# Altium PCB CGRA_Board_3.PcbDoc (part 4 of 7) (continued)
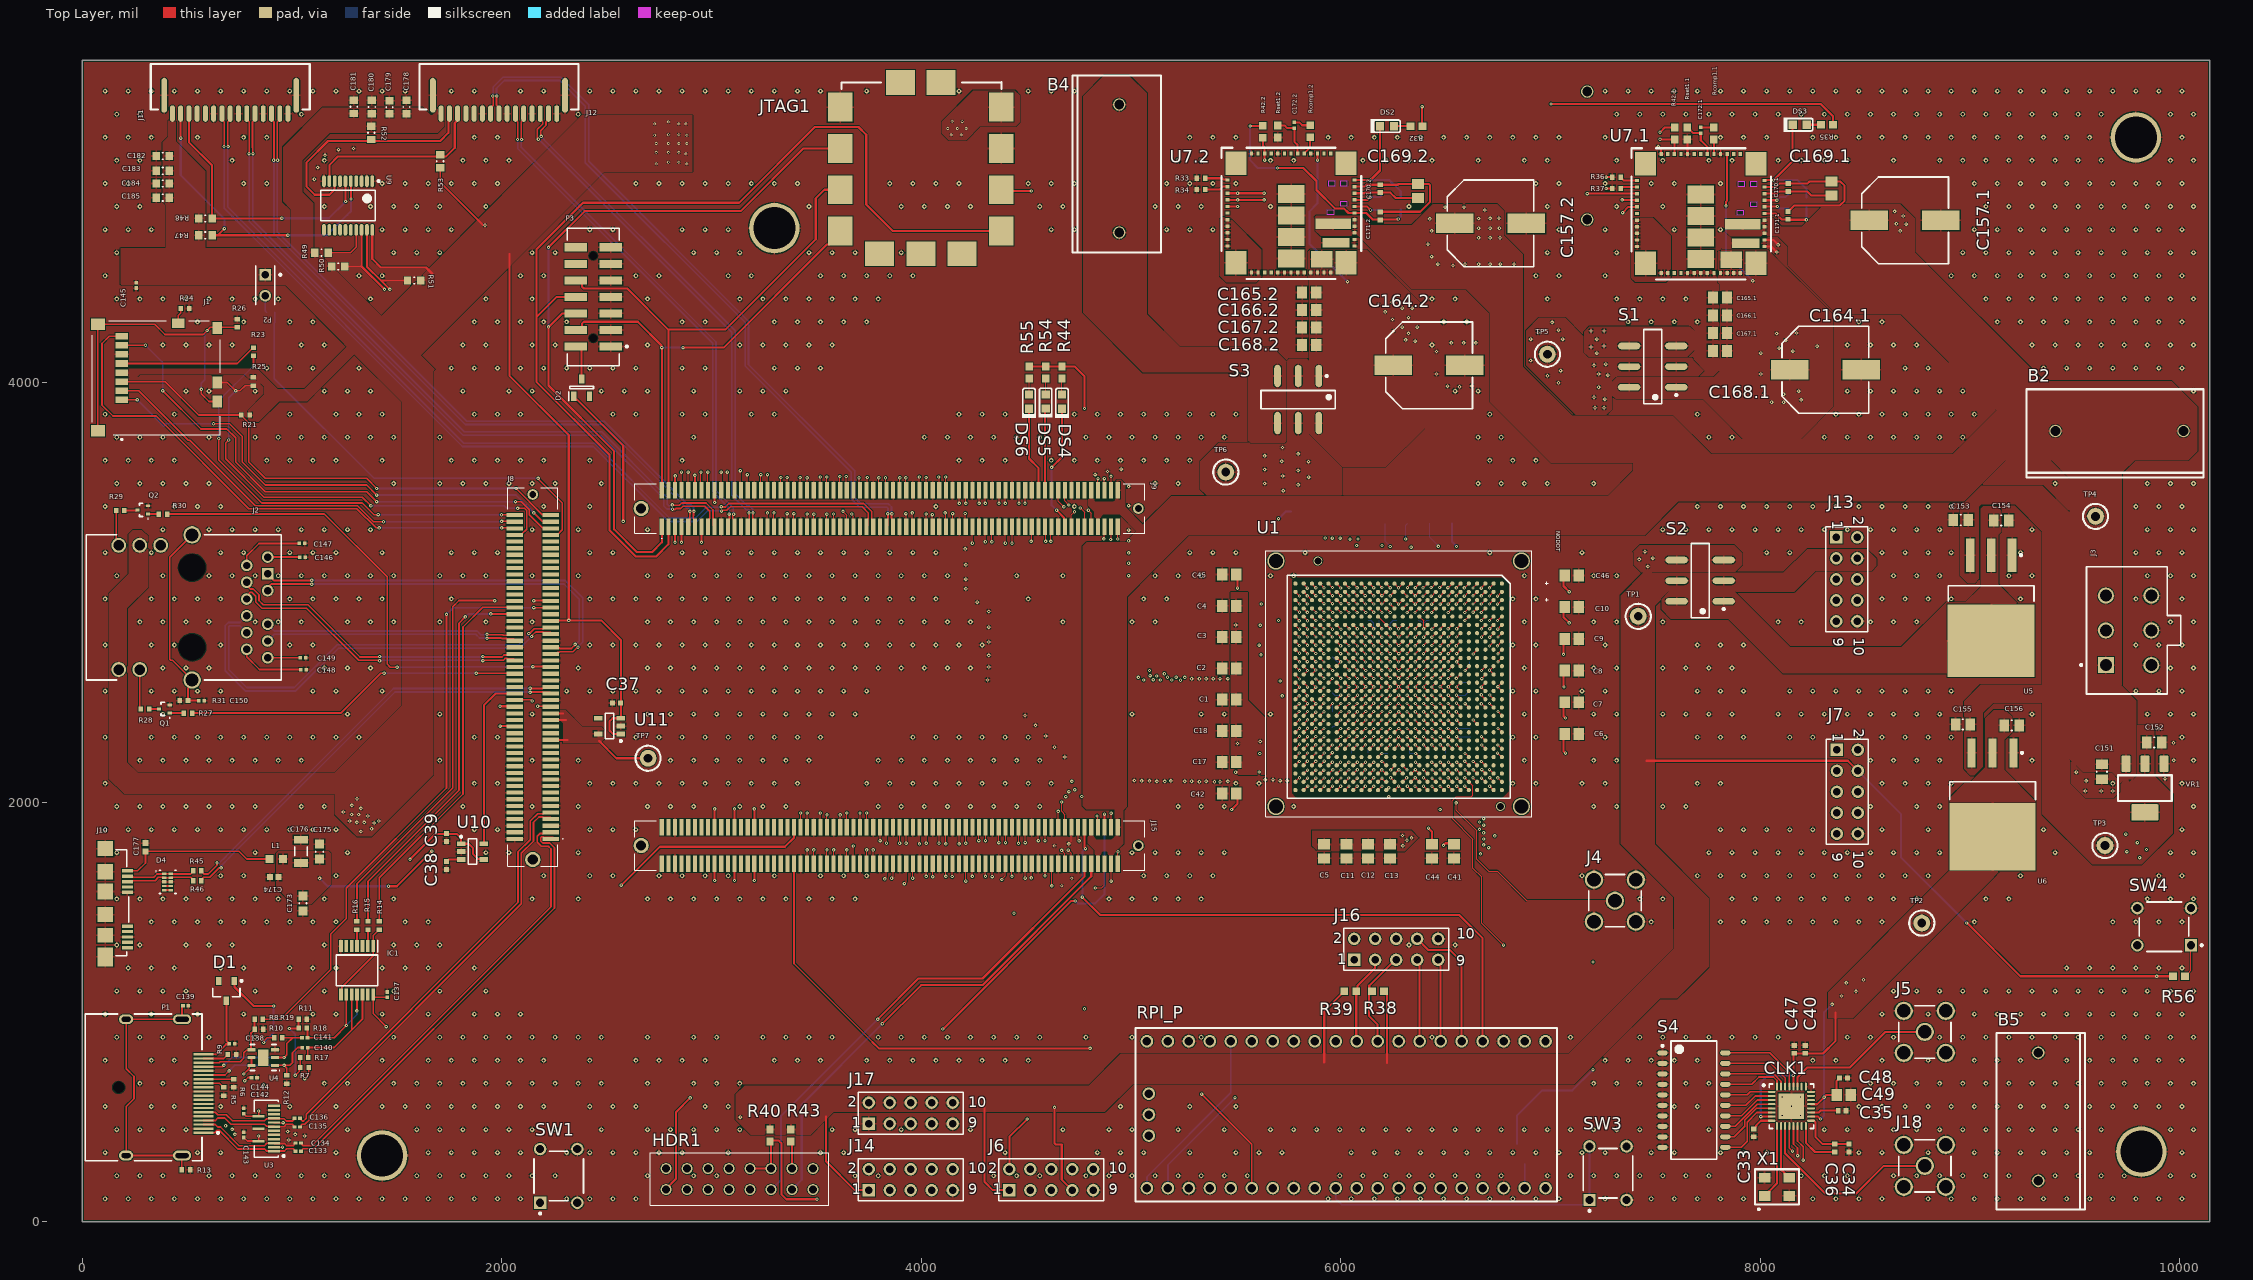
[diagram p0: Top Layer view]
## Nets (pads, with @x,y where several pads share a name; then routed paths per layer and width w, separated by ;. In a path a pad name is that pad's centre, name@x,y a point inside that pad or via, vN(x,y) a via of type N, cw(c..) or ccw(c..) an arc to the next point about the centre after c; other vN are vias at no path point) (continued)
  other v1: 110,110 220,110 330,110 440,110 550,110 660,110 770,110 880,110 990,110 1100,110 1210,110 1320,110 1430,110 1540,110 1650,110 1760,110 1870,110 1980,110 2090,110 2310,110 2420,110 2530,110 2640,110 5940,110 6050,110 6160,110 6270,110 6380,110 6490,110 6600,110 6710,110 6820,110 6930,110 7040,110 7260,110 7480,110 7590,110 7700,110 7810,110 7920,110 8250,110 8360,110 8470,110 8580,110 8800,110 8910,110 9020,110 9130,110 9240,110 9350,110 9460,110 9570,110 9680,110 9790,110 9900,110 10010,110 165,220 275,220 385,220 605,220 715,220 825,220 935,220 1045,220 1155,220 1265,220 1595,220 1705,220 1815,220 1925,220 2035,220 2145,220 2255,220 2695,220 2915,220 3025,220 3685,220 3795,220 4345,220 4455,220 4565,220 4785,220 4895,220 5005,220 5115,220 5225,220 5335,220 5445,220 5555,220 5995,220 6105,220 6215,220 6325,220 6435,220 6545,220 6655,220 6765,220 6985,220 7095,220 7205,220 7315,220 7425,220 7535,220 7645,220 7755,220 8195,220 8305,220 8415,220 8635,220 8745,220 8855,220 8965,220 9075,220 9185,220 9405,220 9515,220 9625,220 9735,220 9955,220 10065,220 110,330 550,330 660,330 1210,330 1650,330 1760,330 1870,330 1980,330 2090,330 2310,330 2420,330 2530,330 2640,330 2750,330 2860,330 3080,330 3520,330 3630,330 4400,330 4840,330 4950,330 5060,330 5280,330 5500,330 5610,330 5720,330 6050,330 6160,330 6270,330 6380,330 6490,330 6600,330 6710,330 6820,330 6930,330 7040,330 7150,330 7260,330 7480,330 7590,330 7810,330 7920,330 8030,330 8470,330 8580,330 8800,330 9020,330 9130,330 9240,330 9350,330 9460,330 9570,330 10010,330 165,440 275,440 385,440 495,440 1265,440 1595,440 1705,440 1815,440 1925,440 2035,440 2145,440 2255,440 2475,440 2695,440 2805,440 2915,440 3025,440 3135,440 3575,440 3685,440 3905,440 4235,440 4675,440 4895,440 5005,440 5225,440 5445,440 5665,440 5775,440 5885,440 5995,440 6105,440 6215,440 6325,440 6435,440 6545,440 6655,440 6765,440 6875,440 6985,440 7095,440 7205,440 7315,440 7425,440 7755,440 8305,440 8415,440 8525,440 8635,440 8745,440 8855,440 8965,440 9075,440 9185,440 9295,440 9405,440 9515,440 9625,440 9955,440 10065,440 110,550 330,550 440,550 660,550 990,550 1210,550 1430,550 1540,550 1650,550 1760,550 1870,550 1980,550 2090,550 2200,550 2420,550 2530,550 2640,550 2970,550 3080,550 4950,550 5280,550 5500,550 7590,550 7700,550 8470,550 8580,550 8690,550 8800,550 8910,550 9020,550 9130,550 9240,550 9350,550 9460,550 9570,550 9680,550 9790,550 9900,550 10010,550 275,660 385,660 495,660 1155,660 1265,660 1485,660 1595,660 1705,660 1815,660 1925,660 2035,660 2145,660 2255,660 2365,660 2475,660 2695,660 2915,660 3025,660 3135,660 7205,660 7315,660 7425,660 7645,660 7755,660 8525,660 8635,660 8745,660 8855,660 8965,660 9075,660 9185,660 9295,660 9405,660 9515,660 9625,660 9735,660 9845,660 9955,660 10065,660 110,770 330,770 440,770 1430,770 1650,770 1760,770 1870,770 1980,770 2090,770 2200,770 2420,770 2640,770 2750,770 2860,770 2970,770 3300,770 3410,770 3520,770 3740,770 3850,770 3960,770 4070,770 4180,770 4290,770 4400,770 4510,770 7260,770 7370,770 7480,770 7590,770 7700,770 8250,770 8360,770 8580,770 8800,770 9020,770 9130,770 9240,770 9460,770 9570,770 9680,770 9790,770 9900,770 10010,770 165,880 275,880 385,880 495,880 605,880 825,880 1485,880 1705,880 1815,880 1925,880 2035,880 2145,880 2255,880 2365,880 2475,880 2695,880 2915,880 3025,880 3245,880 3355,880 3465,880 3575,880 3795,880 3905,880 4015,880 4125,880 4235,880 4345,880 4455,880 4565,880 4785,880 5005,880 5335,880 6435,880 7095,880 7425,880 7535,880 7645,880 7755,880 7865,880 7975,880 8085,880 8415,880 8525,880 8635,880 8855,880 8965,880 9075,880 9185,880 9295,880 9405,880 9515,880 9625,880 9735,880 9845,880 9955,880 10065,880 110,990 330,990 550,990 770,990 1100,990 1210,990 1430,990 1650,990 1870,990 1980,990 2090,990 8580,990 8800,990 9020,990 9130,990 9240,990 9350,990 9460,990 9570,990 9680,990 9790,990 9900,990 10010,990 165,1100 275,1100 385,1100 495,1100 825,1100 1155,1100 1485,1100 1705,1100 1925,1100 8635,1100 8745,1100 8855,1100 8965,1100 9075,1100 9185,1100 9295,1100 9405,1100 9515,1100 9625,1100 9735,1100 9845,1100 9955,1100 10065,1100 220,1210 330,1210 440,1210 660,1210 770,1210 990,1210 1100,1210 1210,1210 1430,1210 1540,1210 1650,1210 1870,1210 9460,1210 9570,1210 9680,1210 9790,1210 9900,1210 10010,1210 165,1320 275,1320 495,1320 605,1320 715,1320 1155,1320 1485,1320 1595,1320 1705,1320 6325,1320 6545,1320 330,1430 440,1430 550,1430 660,1430 770,1430 880,1430 990,1430 1100,1430 1210,1430 1540,1430 1650,1430 7480,1430 7810,1430 7920,1430 8030,1430 8140,1430 8250,1430 8360,1430 8470,1430 8580,1430 9020,1430 9680,1430 9790,1430 9900,1430 10010,1430 165,1540 275,1540 385,1540 495,1540 605,1540 715,1540 825,1540 935,1540 1155,1540 1485,1540 2145,1540 2365,1540 2695,1540 2805,1540 2915,1540 3025,1540 3135,1540 3245,1540 3355,1540 3465,1540 3575,1540 3685,1540 4895,1540 5005,1540 5115,1540 5225,1540 5335,1540 7425,1540 7535,1540 7865,1540 7975,1540 8085,1540 8195,1540 8305,1540 8415,1540 8525,1540 8635,1540 8745,1540 9075,1540 9185,1540 9845,1540 9955,1540 10065,1540 660,1650 770,1650 1210,1650 2200,1650 2420,1650 2530,1650 2750,1650 2860,1650 2970,1650 3080,1650 3300,1650 3520,1650 3630,1650 3740,1650 5060,1650 5170,1650 5280,1650 5390,1650 7150,1650 7700,1650 7810,1650 7920,1650 8030,1650 8140,1650 8250,1650 8360,1650 8470,1650 8580,1650 8690,1650 8800,1650 9240,1650 9900,1650 10010,1650 165,1760 825,1760 1265,1760 1925,1760 2035,1760 2365,1760 5005,1760 5115,1760 5225,1760 5335,1760 5445,1760 7755,1760 7865,1760 7975,1760 8085,1760 8195,1760 8305,1760 8415,1760 8525,1760 8635,1760 8745,1760 8855,1760 9405,1760 9955,1760 10065,1760 110,1870 220,1870 330,1870 440,1870 550,1870 660,1870 770,1870 880,1870 990,1870 1100,1870 1210,1870 1870,1870 1980,1870 2420,1870 2530,1870 2640,1870 7810,1870 7920,1870 8030,1870 8140,1870 8250,1870 8580,1870 8800,1870 9350,1870 10010,1870 165,1980 275,1980 385,1980 495,1980 605,1980 715,1980 825,1980 1045,1980 1155,1980 1815,1980 2145,1980 2365,1980 2695,1980 2805,1980 2915,1980 3135,1980 3245,1980 3355,1980 3795,1980 3905,1980 4015,1980 4125,1980 4235,1980 4345,1980 4455,1980 4565,1980 5225,1980 5335,1980 5445,1980 5775,1980 7205,1980 7315,1980 7535,1980 7645,1980 8525,1980 8745,1980 8855,1980 10065,1980 110,2090 1870,2090 1980,2090 2420,2090 2530,2090 2640,2090 2750,2090 2860,2090 2970,2090 3080,2090 3190,2090 3300,2090 3410,2090 3740,2090 3850,2090 3960,2090 4070,2090 4180,2090 4290,2090 4400,2090 4510,2090 4620,2090 5500,2090 5610,2090 6820,2090 6930,2090 7150,2090 7260,2090 7700,2090 7810,2090 8580,2090 8690,2090 8800,2090 8910,2090 9680,2090 10010,2090 275,2200 385,2200 495,2200 605,2200 715,2200 825,2200 935,2200 1045,2200 1705,2200 2145,2200 2365,2200 2805,2200 2915,2200 3025,2200 3135,2200 3245,2200 3355,2200 3465,2200 3795,2200 3905,2200 4015,2200 4125,2200 4235,2200 4345,2200 4455,2200 4565,2200 6875,2200 7205,2200 7315,2200 8525,2200 8635,2200 8745,2200 8855,2200 9295,2200 10065,2200 110,2310 330,2310 440,2310 550,2310 660,2310 770,2310 880,2310 990,2310 1100,2310 1210,2310 1320,2310 1870,2310 1980,2310 2640,2310 2750,2310 2860,2310 2970,2310 3080,2310 3190,2310 3300,2310 3410,2310 3520,2310 3960,2310 4070,2310 4180,2310 4290,2310 4400,2310 4510,2310 6820,2310 6930,2310 7260,2310 7700,2310 7810,2310 7920,2310 8140,2310 8250,2310 8360,2310 8470,2310 8580,2310 8690,2310 8800,2310 8910,2310 10010,2310 385,2420 1265,2420 1705,2420 2145,2420 2695,2420 2805,2420 2915,2420 3025,2420 3135,2420 3245,2420 3355,2420 3465,2420 3575,2420 3685,2420 5005,2420 5335,2420 5445,2420 5665,2420 6875,2420 7205,2420 7315,2420 7535,2420 7645,2420 7755,2420 7865,2420 8085,2420 8195,2420 8305,2420 8415,2420 8525,2420 8635,2420 8745,2420 8855,2420 9295,2420 9845,2420 9955,2420 10065,2420 110,2530 330,2530 440,2530 550,2530 660,2530 1100,2530 1210,2530 1430,2530 2310,2530 2420,2530 2530,2530 2640,2530 2750,2530 2860,2530 2970,2530 3080,2530 3190,2530 3300,2530 3410,2530 3520,2530 3630,2530 3740,2530 6820,2530 6930,2530 7150,2530 7260,2530 7700,2530 7810,2530 7920,2530 8140,2530 8250,2530 8360,2530 8470,2530 8580,2530 8690,2530 8800,2530 8910,2530 9790,2530 9900,2530 10010,2530 385,2640 495,2640 605,2640 1155,2640 1265,2640 1375,2640 2365,2640 2695,2640 2805,2640 2915,2640 3025,2640 3135,2640 3245,2640 3355,2640 3465,2640 3575,2640 3685,2640 3795,2640 3905,2640 4015,2640 4125,2640 4235,2640 6875,2640 7205,2640 7315,2640 7535,2640 7645,2640 7755,2640 7865,2640 9955,2640 10065,2640 110,2750 330,2750 440,2750 660,2750 990,2750 1100,2750 2420,2750 2530,2750 2640,2750 2750,2750 2860,2750 2970,2750 3080,2750 3190,2750 3300,2750 3410,2750 3520,2750 3630,2750 3740,2750 3850,2750 3960,2750 4070,2750 4180,2750 4290,2750 6820,2750 6930,2750 7260,2750 7700,2750 7810,2750 7920,2750 9790,2750 9900,2750 10010,2750 275,2860 385,2860 495,2860 605,2860 825,2860 935,2860 1045,2860 1265,2860 1375,2860 1485,2860 1705,2860 1925,2860 2145,2860 2695,2860 2805,2860 2915,2860 3025,2860 3135,2860 3245,2860 3355,2860 3465,2860 3575,2860 3685,2860 3795,2860 3905,2860 4015,2860 4125,2860 4235,2860 4675,2860 5005,2860 5115,2860 6875,2860 7205,2860 7315,2860 7535,2860 8085,2860 8195,2860 8525,2860 8635,2860 8745,2860 9955,2860 10065,2860 110,2970 330,2970 440,2970 550,2970 660,2970 990,2970 1100,2970 1210,2970 1320,2970 1430,2970 1760,2970 2420,2970 2530,2970 2640,2970 2750,2970 2860,2970 2970,2970 3080,2970 3190,2970 3300,2970 3410,2970 3520,2970 3630,2970 3740,2970 3850,2970 3960,2970 4070,2970 4510,2970 5060,2970 5170,2970 6820,2970 6930,2970 8580,2970 8690,2970 8800,2970 8910,2970 9240,2970 9790,2970 10010,2970 165,3080 385,3080 605,3080 715,3080 825,3080 935,3080 1045,3080 1155,3080 1265,3080 1375,3080 1485,3080 1705,3080 1815,3080 1925,3080 2145,3080 2365,3080 2695,3080 2805,3080 2915,3080 3025,3080 3135,3080 3245,3080 3355,3080 3465,3080 3575,3080 3685,3080 3795,3080 3905,3080 4015,3080 4125,3080 4455,3080 4675,3080 5115,3080 5225,3080 5335,3080 5665,3080 5775,3080 6875,3080 7205,3080 7315,3080 8635,3080 8745,3080 8855,3080 9185,3080 9295,3080 9845,3080 9955,3080 10065,3080 110,3190 330,3190 660,3190 770,3190 990,3190 1100,3190 1210,3190 1430,3190 1760,3190 1870,3190 1980,3190 2420,3190 2530,3190 2860,3190 2970,3190 3080,3190 3190,3190 3300,3190 3410,3190 3520,3190 3630,3190 3740,3190 3850,3190 3960,3190 4070,3190 5280,3190 5390,3190 5500,3190 5830,3190 6710,3190 7150,3190 8030,3190 8140,3190 8580,3190 8690,3190 8800,3190 8910,3190 9240,3190 9790,3190 9900,3190 10010,3190 385,3300 605,3300 715,3300 825,3300 935,3300 1045,3300 1155,3300 1265,3300 1375,3300 2145,3300 2365,3300 2695,3300 7535,3300 7645,3300 7755,3300 7865,3300 7975,3300 8085,3300 8195,3300 8305,3300 8415,3300 8525,3300 8635,3300 8745,3300 8855,3300 9295,3300 9845,3300 9955,3300 10065,3300 110,3410 440,3410 550,3410 660,3410 2200,3410 2420,3410 4070,3410 4730,3410 7700,3410 7810,3410 7920,3410 8030,3410 8140,3410 8250,3410 8360,3410 8470,3410 8580,3410 8690,3410 8800,3410 8910,3410 9790,3410 9900,3410 10010,3410 165,3520 275,3520 385,3520 495,3520 605,3520 1485,3520 1705,3520 1815,3520 1925,3520 2035,3520 2145,3520 2255,3520 2475,3520 5115,3520 5225,3520 6655,3520 6765,3520 6875,3520 6985,3520 7205,3520 9405,3520 9845,3520 9955,3520 10065,3520 110,3630 220,3630 330,3630 440,3630 880,3630 990,3630 1100,3630 1210,3630 1430,3630 1760,3630 1870,3630 1980,3630 2090,3630 2200,3630 2420,3630 2860,3630 4180,3630 4290,3630 4400,3630 4620,3630 4730,3630 4840,3630 4950,3630 5060,3630 5170,3630 5280,3630 6710,3630 6820,3630 6930,3630 165,3740 275,3740 385,3740 605,3740 825,3740 935,3740 1045,3740 1155,3740 1265,3740 1375,3740 1485,3740 1705,3740 2915,3740 4015,3740 4125,3740 4235,3740 4345,3740 4455,3740 4565,3740 4785,3740 4895,3740 5005,3740 5115,3740 5225,3740 5335,3740 5445,3740 6655,3740 6765,3740 7755,3740 7865,3740 8305,3740 8415,3740 8525,3740 8635,3740 8745,3740 8855,3740 8965,3740 110,3850 440,3850 990,3850 1210,3850 1320,3850 1430,3850 1870,3850 1980,3850 2090,3850 2530,3850 2640,3850 2860,3850 2970,3850 3190,3850 3300,3850 4180,3850 4290,3850 4400,3850 4730,3850 4840,3850 4950,3850 5060,3850 5170,3850 5280,3850 5390,3850 5500,3850 6710,3850 7700,3850 8360,3850 8470,3850 8580,3850 8690,3850 8800,3850 8910,3850 9020,3850 495,3960 605,3960 825,3960 1155,3960 1265,3960 1375,3960 1815,3960 2035,3960 2145,3960 2475,3960 2585,3960 2695,3960 2915,3960 3135,3960 3245,3960 3355,3960 6545,3960 6655,3960 8415,3960 8525,3960 8635,3960 8745,3960 8855,3960 8965,3960 10065,3960 880,4070 990,4070 1100,4070 1320,4070 1760,4070 1870,4070 1980,4070 2090,4070 2200,4070 2310,4070 2420,4070 2530,4070 2640,4070 2860,4070 2970,4070 3300,4070 3410,4070 3520,4070 8690,4070 8800,4070 9350,4070 9460,4070 9570,4070 9680,4070 9790,4070 9900,4070 10010,4070 385,4180 495,4180 605,4180 715,4180 1045,4180 1155,4180 1815,4180 1925,4180 2145,4180 2255,4180 2695,4180 3135,4180 3245,4180 3355,4180 3465,4180 3575,4180 6435,4180 8415,4180 8525,4180 8635,4180 8745,4180 9295,4180 9405,4180 9515,4180 9625,4180 9735,4180 9845,4180 9955,4180 10065,4180 550,4290 770,4290 990,4290 1100,4290 1870,4290 1980,4290 2090,4290 2200,4290 2310,4290 2860,4290 2970,4290 3300,4290 3410,4290 3520,4290 3630,4290 3740,4290 6490,4290 6600,4290 7370,4290 7480,4290 7590,4290 7700,4290 8470,4290 8580,4290 9130,4290 9240,4290 9350,4290 9460,4290 9570,4290 9680,4290 9790,4290 9900,4290 10010,4290 165,4400 275,4400 385,4400 495,4400 605,4400 715,4400 825,4400 935,4400 1375,4400 1925,4400 2145,4400 2695,4400 3135,4400 3245,4400 3355,4400 3465,4400 3575,4400 3685,4400 3795,4400 6435,4400 6545,4400 6985,4400 7315,4400 7425,4400 7535,4400 7645,4400 9075,4400 9185,4400 9295,4400 9405,4400 9515,4400 9625,4400 9735,4400 9845,4400 9955,4400 10065,4400 110,4510 1320,4510 1430,4510 2090,4510 2200,4510 2640,4510 2750,4510 3080,4510 3190,4510 3520,4510 3630,4510 3740,4510 3850,4510 3960,4510 6930,4510 7040,4510 7260,4510 8910,4510 9020,4510 9130,4510 9240,4510 9350,4510 9460,4510 9570,4510 9680,4510 9790,4510 9900,4510 10010,4510 165,4620 1485,4620 1595,4620 1705,4620 2145,4620 2255,4620 2915,4620 3025,4620 3135,4620 3465,4620 3575,4620 3685,4620 3905,4620 6985,4620 7315,4620 8965,4620 9075,4620 9185,4620 9295,4620 9405,4620 9515,4620 9625,4620 9735,4620 9845,4620 9955,4620 10065,4620 110,4730 220,4730 330,4730 1430,4730 1540,4730 1650,4730 1760,4730 2420,4730 2530,4730 2860,4730 2970,4730 3080,4730 4620,4730 4730,4730 5170,4730 5280,4730 5390,4730 7040,4730 7260,4730 7590,4730 7810,4730 9020,4730 9130,4730 9240,4730 9350,4730 9460,4730 9570,4730 9680,4730 9790,4730 9900,4730 10010,4730 165,4840 275,4840 1155,4840 1375,4840 1485,4840 1595,4840 1705,4840 1925,4840 3465,4840 3905,4840 4015,4840 4125,4840 4235,4840 4565,4840 4675,4840 5115,4840 5225,4840 5335,4840 5665,4840 6325,4840 6985,4840 7315,4840 7535,4840 9075,4840 9185,4840 9295,4840 9405,4840 9515,4840 9625,4840 9735,4840 9845,4840 9955,4840 10065,4840 110,4950 220,4950 770,4950 880,4950 1430,4950 1540,4950 1650,4950 1760,4950 1870,4950 1980,4950 2640,4950 2750,4950 2860,4950 2970,4950 3080,4950 3190,4950 3300,4950 3410,4950 3850,4950 3960,4950 4070,4950 4180,4950 4510,4950 4620,4950 4730,4950 5170,4950 5280,4950 5390,4950 5500,4950 6930,4950 7040,4950 7260,4950 7480,4950 7590,4950 7810,4950 9020,4950 9130,4950 9240,4950 9350,4950 9460,4950 9570,4950 9680,4950 9790,4950 9900,4950 10010,4950 165,5060 275,5060 715,5060 1155,5060 1815,5060 1925,5060 2035,5060 5225,5060 5335,5060 5665,5060 5775,5060 6105,5060 6215,5060 6325,5060 6435,5060 6655,5060 6875,5060 6985,5060 7315,5060 7535,5060 7755,5060 7865,5060 8085,5060 8195,5060 8305,5060 8415,5060 8635,5060 8855,5060 8965,5060 9075,5060 9185,5060 9295,5060 9405,5060 9515,5060 9625,5060 9955,5060 10065,5060 110,5170 220,5170 330,5170 550,5170 770,5170 880,5170 1870,5170 1980,5170 5280,5170 5390,5170 5500,5170 5940,5170 6050,5170 6160,5170 6270,5170 6380,5170 6490,5170 6600,5170 6710,5170 6820,5170 6930,5170 7040,5170 7260,5170 7810,5170 7920,5170 8030,5170 8250,5170 8360,5170 8470,5170 8580,5170 8690,5170 8800,5170 8910,5170 9020,5170 9130,5170 9240,5170 9350,5170 9460,5170 9570,5170 10010,5170 165,5280 275,5280 1045,5280 2365,5280 7315,5280 7425,5280 7535,5280 7645,5280 7755,5280 7865,5280 7975,5280 8085,5280 8195,5280 8305,5280 8415,5280 8525,5280 8635,5280 8745,5280 8855,5280 8965,5280 9075,5280 9185,5280 9295,5280 9405,5280 9515,5280 9625,5280 9955,5280 10065,5280 110,5390 220,5390 330,5390 440,5390 550,5390 660,5390 770,5390 880,5390 990,5390 1100,5390 1210,5390 1320,5390 1430,5390 1540,5390 1760,5390 1870,5390 2090,5390 2200,5390 2420,5390 2530,5390 2640,5390 2750,5390 2860,5390 2970,5390 3080,5390 3190,5390 3300,5390 3410,5390 3520,5390 3740,5390 4180,5390 4510,5390 4620,5390 4730,5390 7260,5390 7370,5390 7480,5390 7590,5390 7700,5390 7810,5390 7920,5390 8030,5390 8140,5390 8250,5390 8360,5390 8470,5390 8580,5390 8690,5390 8800,5390 8910,5390 9020,5390 9130,5390 9240,5390 9350,5390 9460,5390 9570,5390 9680,5390 9790,5390 9900,5390 10010,5390
  other v2: 985,390 1061.03,409.62 728,417 1016.21,417 980,431 715,441 684,458 9549.57,2054 9625,2054 9680,2054 5326,2098 5398,2098 5424,2098 5123,2100 5161,2100 5256,2100.4 5289,2100.4 5358,2100.38 5462,2100 5051,2102 5088,2102 5190,2102 9553,2102 5711,2103.29 5744.68,2103.29 5016.17,2104 5640,2107 5677,2108 9929,2113 9506.5,2143.97 9970.79,2200.64 4684.59,2216 4635.15,2262.5 9969.68,2284 4593.18,2316 9900.37,2350 4544.68,2366.5 4495,2414 4316.23,2583.27 5289,2589 5326,2589 5358,2589 5392,2589 5424,2589.32 5462,2589.32 4322,2644.8 4322,2700.52 4322,2764.26 4322,2835 4322,2909.84 4267,2954 4213,3017.99 4213,3063.68 4988.51,3080.5 4213,3132.23 4988.51,3139.76 4988.51,3188.84 4209.93,3208.04 4988.51,3247 4988.51,3297.18 4988.51,3414.24 4988.51,3506.32 4829,3562.25 4888,3577 4952.75,3587.98 6565.87,3980.93 6509.07,3983.57 6624.88,3984.51 6456.15,4041.5 6456.15,4148.96 6526.92,4190.38 6585.43,4190.38 6644.19,4190.38 1107,4970 1122.5,5026.16 1158,5084 1222,5111.17 1294,5116.57
  other v3: 6434.55,2313.07 6512.92,2431.56 6512.92,2510.26 6119,2551 6039.7,2787.71
  other v4: 8104.69,507.69 8191.31,507.69 8148,551 8104.69,594.31 8191.31,594.31
  other v5: 4669.5,1601.87 4718,1638 4635.15,1792
GTR_REFCLK0_N: J8.40
GTR_REFCLK0_P: J8.38
GTR_REFCLK1_N: J8.35
GTR_REFCLK1_P: J8.33
GTR_REFCLK3_N: J8.29
GTR_REFCLK3_P: J8.27
GTR_RX0_N: J8.28
GTR_RX0_P: J8.26
GTR_RX1_N: J8.20
GTR_RX1_P: J8.18
GTR_TX0_N: J8.23
GTR_TX0_P: J8.21
GTR_TX1_N: J8.15
GTR_TX1_P: J8.13
GTR_TX2_N: C136.1 J8.9 | length 2021
  Top Layer w8: C136.1@1039,493.36 1039.79,493.36 1044.06,489.09 1044.06,485.44 1048.74,480.76 1055.37,480.76 1068.06,493.44 1068.06,513.13 2078,1523.07 2078,1763.63 2136,1821.63 2136,1910.9 2171.3,1946.2 2197.68,1946.2 2199.58,1948.1 2231.89,1948.1 J8.9@2237.73,1953.94
GTR_TX2_P: C135.1 J8.7 | length 2021.1
  Top Layer w8: C135.1@1038.99,452.15 1039.78,452.15 1044.05,456.42 1044.05,460.07 1048.73,464.76 1062,464.76 1084.06,486.82 1084.06,506.5 2094,1516.45 2094,1757 2152,1815 2152,1904.27 2177.92,1930.2 2197.68,1930.2 2199.58,1928.29 2231.89,1928.29 J8.7@2237.73,1922.45
GTR_TX3_N: C134.1 J8.3 | length 2129.5
  Top Layer w8: C134.1@1042.99,376 1043.78,376 1048.05,371.73 1048.05,368.63 1052.73,363.94 1097,363.94 2235.48,1502.42 2235.48,1777.43 2222.8,1790.12 2189.11,1790.12 2170.18,1809.05 2170.18,1837.65 2184.23,1851.71 2197.68,1851.71 2199.58,1853.61 2231.89,1853.61 J8.3@2237.73,1859.46
GTR_TX3_P: C133.1 J8.1 | length 2141
  Top Layer w8: C133.1@1042.98,335.88 1043.77,335.88 1048.04,340.15 1048.04,343.25 1052.73,347.94 1103.63,347.94 2251.48,1495.8 2251.48,1784.06 2229.42,1806.12 2195.73,1806.12 2186.18,1815.68 2186.18,1831.02 2190.86,1835.71 2197.68,1835.71 2199.58,1833.8 2243.39,1833.8 J8.1@2249.23,1827.96
GTR_VCC: J8.31 J8.37 J8.39 TP7.1 U11.5 | length 475.3
  Top Layer w10: J8.31@2234.73,2297.9 2314.1,2297.9 ; J8.37@2234.73,2392.39 2307.27,2392.39 ; J8.39@2234.73,2423.88 2291.01,2423.88 ; 2464.87,2292 2546.87,2210 TP7.1@2698,2210
HDR_PICO_I2C_SCL: HDR1.14 HDR1.16 J16.7 R43.2 R50.1 RPI_P.7 U9.18 | length 9607.6
  Top Layer w10: R50.1@1252.31,4554.43 1331.98,4554.43 ; U9.18@1331.98,4747.56 U9.18@1331.98,4728.86 1331.98,4554.43 ; v2(1441.41,4445) 1331.98,4554.43 ; HDR1.14@3384,254 R43.2@3384,388.46 ; J16.7@6364,1249 6364,1235.73 6376,1223.73 RPI_P.7@6376,861
  Int4 (Sign) w10: HDR1.14@3384,254 HDR1.16@3484,254 3534,254 3695,93 5684,93 5726,135 5726,211 RPI_P.7@6376,861
  Int7 (Sign) w8: v2(1441.41,4445) 2465.41,3421 2465.41,1499 3168.41,796 3168.41,315.7 3133,280.3 3133,225 3155,203 3333,203 HDR1.14@3384,254
HDR_PICO_I2C_SDA: HDR1.10 HDR1.12 J16.9 R40.2 R51.1 RPI_P.6 U9.19 | length 9851.1
  Top Layer w10: U9.19@1357.57,4747.56 U9.19@1357.57,4728.86 1357.57,4554.43 1424.11,4487.89 ; v2(1467,4445) 1424.11,4487.89 ; R51.1@1551,4487.89 1424.11,4487.89 ; HDR1.10@3184,254 HDR1.12@3284,254 3284,388.46 3319.54,388.46 3333,375 3333,132 3357,108 v2(3503,108) ; J16.9@6464,1249 6473.39,1239.61 6473.39,1221.23 6476,1218.61 RPI_P.6@6476,861
  Int4 (Sign) w10: v2(3503,108) 3621,108 3657,72 5780,72 5828,120 5828,212 6476,860 RPI_P.6@6476,861
  Int7 (Sign) w8: v2(1467,4445) 2491,3421 2491,1499 3184,806 HDR1.10@3184,254
JTAG_FPGA_TCK: J9.1 JTAG1.2 P3.6 | length 3581.8
  Top Layer w10: v4@2223.22,4265.35 2223.22,3986.78 2536,3674 2536,3301 2644,3193 2717,3193 2763.39,3239.39 J9.1@2763.39,3314 ; v4(2223.22,4645.37) 2395.85,4818 3139,4818 3437.85,5116.85 JTAG1.2@3614.28,5116.85 ; v4@2223.65,4265.79 2288.28,4330.41 P3.6@2353.34,4330.41
  Bottom Layer w10: v4(2223.22,4266.22) v4(2223.22,4645.37)
JTAG_FPGA_TDI: J9.4 JTAG1.3 P3.10 | length 2522.8
  Top Layer w10: P3.10@2353.34,4487.89 2367.48,4487.89 2382.17,4473.2 2382.17,4459.06 2392.23,4449 2599,4449 2794.88,4253.12 ; J9.4@2794.88,3487.23 2794.88,4253.12 ; JTAG1.3@3614.28,4920 3538,4920 3497,4879 3497,4684 3066.12,4253.12 2794.88,4253.12
JTAG_FPGA_TDO: J9.3 JTAG1.8 P3.8 | length 5010.5
  Top Layer w10: P3.8@2353.34,4409.15 2262.59,4409.15 2165.35,4311.91 ; J9.3@2794.88,3314 2794.88,3229.88 2736,3171 2640.66,3171 2514,3297.66 2514,3656 2165.35,4004.65 2165.35,4311.91 ; JTAG1.8@4382,4723.15 3864.85,4723.15 3738,4850 3738,5182 3701,5219 3493,5219 3132,4858 2388,4858 2165.35,4635.35 2165.35,4311.91
JTAG_FPGA_TMS: J9.2 JTAG1.4 P3.4 | length 2258.3
  Top Layer w10: P3.4@2353.34,4251.67 2367.48,4251.67 2382.17,4266.35 2382.17,4280.5 2392.67,4291 2649,4291 2762.17,4177.83 2762.17,4168.46 v4(2763.31,4167.31) ; J9.2@2763.39,3487.23 v4@2763.39,4167.31 ; v4(2864.39,4167.31) 3058.45,4167.31 3550.39,4659.25 3560.23,4659.25 3614.28,4713.31 JTAG1.4@3614.28,4723.15
  Bottom Layer w10: v4(2763.31,4167.31) v4(2864.39,4167.31)
jtag_intf_i_phy_tck: U1.A9 | length 27.8
  Top Layer w5: v3(6749.61,2707.37) 6749.61,2708.18 6768,2726.57 U1.A9@6768,2727.59
jtag_intf_i_phy_tdi: U1.B8 | length 30.1
  Top Layer w5: v3(6709,2745) 6709,2745.81 6728.63,2765.44 U1.B8@6728.63,2766.96
jtag_intf_i_phy_tdo: U1.A7 | length 26.1
  Top Layer w5: v3(6749.54,2788.01) 6749.61,2788.01 6767.93,2806.33 U1.A7@6768,2806.33
jtag_intf_i_phy_tms: U1.B7 | length 27.3
  Top Layer w5: v3(6710.22,2786.65) 6710.22,2787.28 6728.63,2805.69 U1.B7@6728.63,2806.33
jtag_intf_i_phy_trst_n: U1.B6 | length 26.2
  Top Layer w5: v3(6710.22,2827.13) 6710.22,2827.21 6728.63,2845.62 U1.B6@6728.63,2845.7
LED1: DS4.2 J9.123 | length 609.1
  Top Layer w10: v4(4621.65,3596.69) 4671,3646.04 DS4.2@4671,3876.53 ; v4(4645.71,3392) 4679.8,3357.91 4679.8,3318.84 J9.123@4684.65,3314
  Bottom Layer w10: v4(4621.65,3596.69) 4621.65,3416.06 v4(4645.71,3392)
LED2: DS5.2 J9.118 | length 391.5
  Top Layer w10: J9.118@4590.16,3487.23 4590.16,3874.69 DS5.2@4593,3877.53
LED3: DS6.2 J9.116 | length 407.8
  Top Layer w10: DS6.2@4514,3876.53 4514,3639.17 4558.66,3594.5 J9.116@4558.66,3487.23
loop_back: J14.2 U1.E24 | length 3776.4
  Top Layer w5: v3(6591.9,2154.76) 6592.35,2154.76 6610.07,2137.04 U1.E24@6610.52,2137.04
  Int2 (Sign) w4: J14.2@3750,251 3810,311 4148.67,311 4617.17,779.5 5368.61,779.5 5427,837.89 5427,879.52 5986.09,1438.61 6021.13,1438.61 6604.55,2022.04 6604.55,2142.11 v3(6591.9,2154.76)
loop_back_select0: J14.10 U1.E23 | length 3465.4
  Top Layer w5: v3(6591,2195.78) 6591.08,2195.78 6610.44,2176.41 U1.E23@6610.52,2176.41
  Int2 (Sign) w4: J14.10@4150,251 4150,301.72 4620,771.72 5371.44,771.72 5426.71,827 5434.5,834.79 5434.5,876.42 5469.08,911 5510.71,911 6605.89,2006.17 6612.05,2012.34 6612.05,2174.72 v3(6591,2195.78)
loop_back_select1: J14.8 U1.D25 | length 3903
  Top Layer w5: v3(6630,2117) 6630.28,2117 6649.61,2097.67 U1.D25@6649.89,2097.67
  Int2 (Sign) w4: J14.8@4050,251 4042,251 3998,207 3998,128 4036,90 4214,90 4247.57,123.57 4247.57,369.39 4617.39,739.22 5413.62,739.22 5516,841.6 5516,892 6630,2006 v3(6630,2117)
loop_back_select2: J14.6 U1.D24 | length 4115.9
  Top Layer w5: v3(6631.07,2154.76) 6631.62,2154.76 6649.34,2137.04 U1.D24@6649.89,2137.04
  Int2 (Sign) w4: J14.6@3950,251 3902,203 3902,102 3941,63 4226,63 4266,103 4266,377.22 4620,731.22 5416.22,731.22 5523.5,838.5 5523.5,888.89 5545.61,911 5565.19,911 6649,1994.81 6649,2136.83 v3(6631.07,2154.76)
loop_back_select3: J14.4 U1.C23 | length 4282.2
  Top Layer w5: v3(6670,2194.74) 6670.46,2194.74 6688.8,2176.41 U1.C23@6689.26,2176.41
  Int2 (Sign) w4: J14.4@3850,251 3808,209 3808,104 3865,47 4239,47 4278,86 4278,358.22 4620,700.22 5395.83,700.22 5531,835.39 5531,885.79 5546.21,901 5565.8,901 6689,2024.2 6689,2175.74 v3(6670,2194.74)
nCS: CLK1.12 RPI_P.17 RPI_P.22 | length 3856.5
  Top Layer w8: CLK1.12@8138.16,457.5 8138.16,351.84 v4(8153,337)
  Int7 (Sign) w8: RPI_P.17@5376,861 5376,713 5534,555 7524.47,555 7845.47,234 8050,234 v4(8153,337)
  Bottom Layer w8: RPI_P.22@5176,161 5176,272.25 v4(5496,592.25)
NetC33_1: C33.1 CLK1.8 | length 105.4
  Top Layer w10: C33.1@7966,445.48 7968.95,445.48 7980.69,457.21 7980.69,460.17 8002.62,482.1 CLK1.8@8054.5,482.1
NetC34_1: C34.1 C36.2 CLK1.17 | length 268.8
  Top Layer w10: CLK1.17@8241.5,482.1 8256.25,482.1 8262.11,476.24 8262.11,405.53 8296.9,370.74 C36.2@8354.44,370.74 C34.1@8422.71,370.74
NetC35_1: C35.1 CLK1.19 | length 133.4
  Top Layer w10: CLK1.19@8241.5,521.47 8278.47,521.47 8287,530 C35.1@8371.34,530
NetC36_1: C36.1 CLK1.16 | length 236.6
  Top Layer w10: CLK1.16@8216.9,457.5 8216.9,376.45 8260.4,332.94 C36.1@8354.44,332.94
NetC38_1: C38.1 U10.3 | length 74.6
  Top Layer w10: C38.1@1737,1716.2 1748.4,1727.6 U10.3@1806.87,1727.6
NetC138_2: C138.2 D1.3 P1.20 | length 354.1
  Top Layer w8: P1.20@578.94,798.48 638.17,798.48
  Top Layer w10: 638.17,798.48 686.43,846.73 698.17,846.73 C138.2@701.44,850 700.65,850 697.38,853.27 697.38,854.06 687.92,863.52 D1.3@687.92,1054.16
NetC140_1: C140.1 IC1.10 IC1.12 R17.1 | length 654.2
  Top Layer w8: R17.1@1079.38,782.22 R17.1@1078.36,783.24 1075.73,785.87 C140.1@1075.73,831.09 1201.47,831.09 1285,914.62 ; IC1.10@1285,1084 1285,914.62 ; IC1.12@1336.18,1084 1336.18,965.8 1285,914.62
NetC141_1: C141.1 IC1.9 IC1.11 R18.2 | length 573.4
  Top Layer w8: R18.2@1071.3,923.94 1074.46,920.78 C141.1@1074.46,877.98 1201.39,877.98 v2(1259.41,936) IC1.9@1259.41,1084 ; v2(1310,1006) 1310,1083.41 IC1.11@1310.59,1084
  Bottom Layer w8: v2(1259.41,936) 1310,986.59 v2(1310,1006)
NetC146_2: C146.2 J2.2 | length 153.1
  Top Layer w8: J2.2@884.61,3169 C146.2@1037.69,3169
NetC147_2: C147.2 J2.5 | length 321.2
  Top Layer w8: J2.5@784.61,3129 784.61,3175.61 843,3234 C147.2@1035.01,3234
NetC148_2: C148.2 J2.8 | length 317.9
  Top Layer w8: J2.8@784.61,2729 784.8,2728.81 784.8,2694.13 845.92,2633 C148.2@1042.41,2633